# Altium PCB Minion_Rev2.PcbDoc (part 2 of 11) (continued)
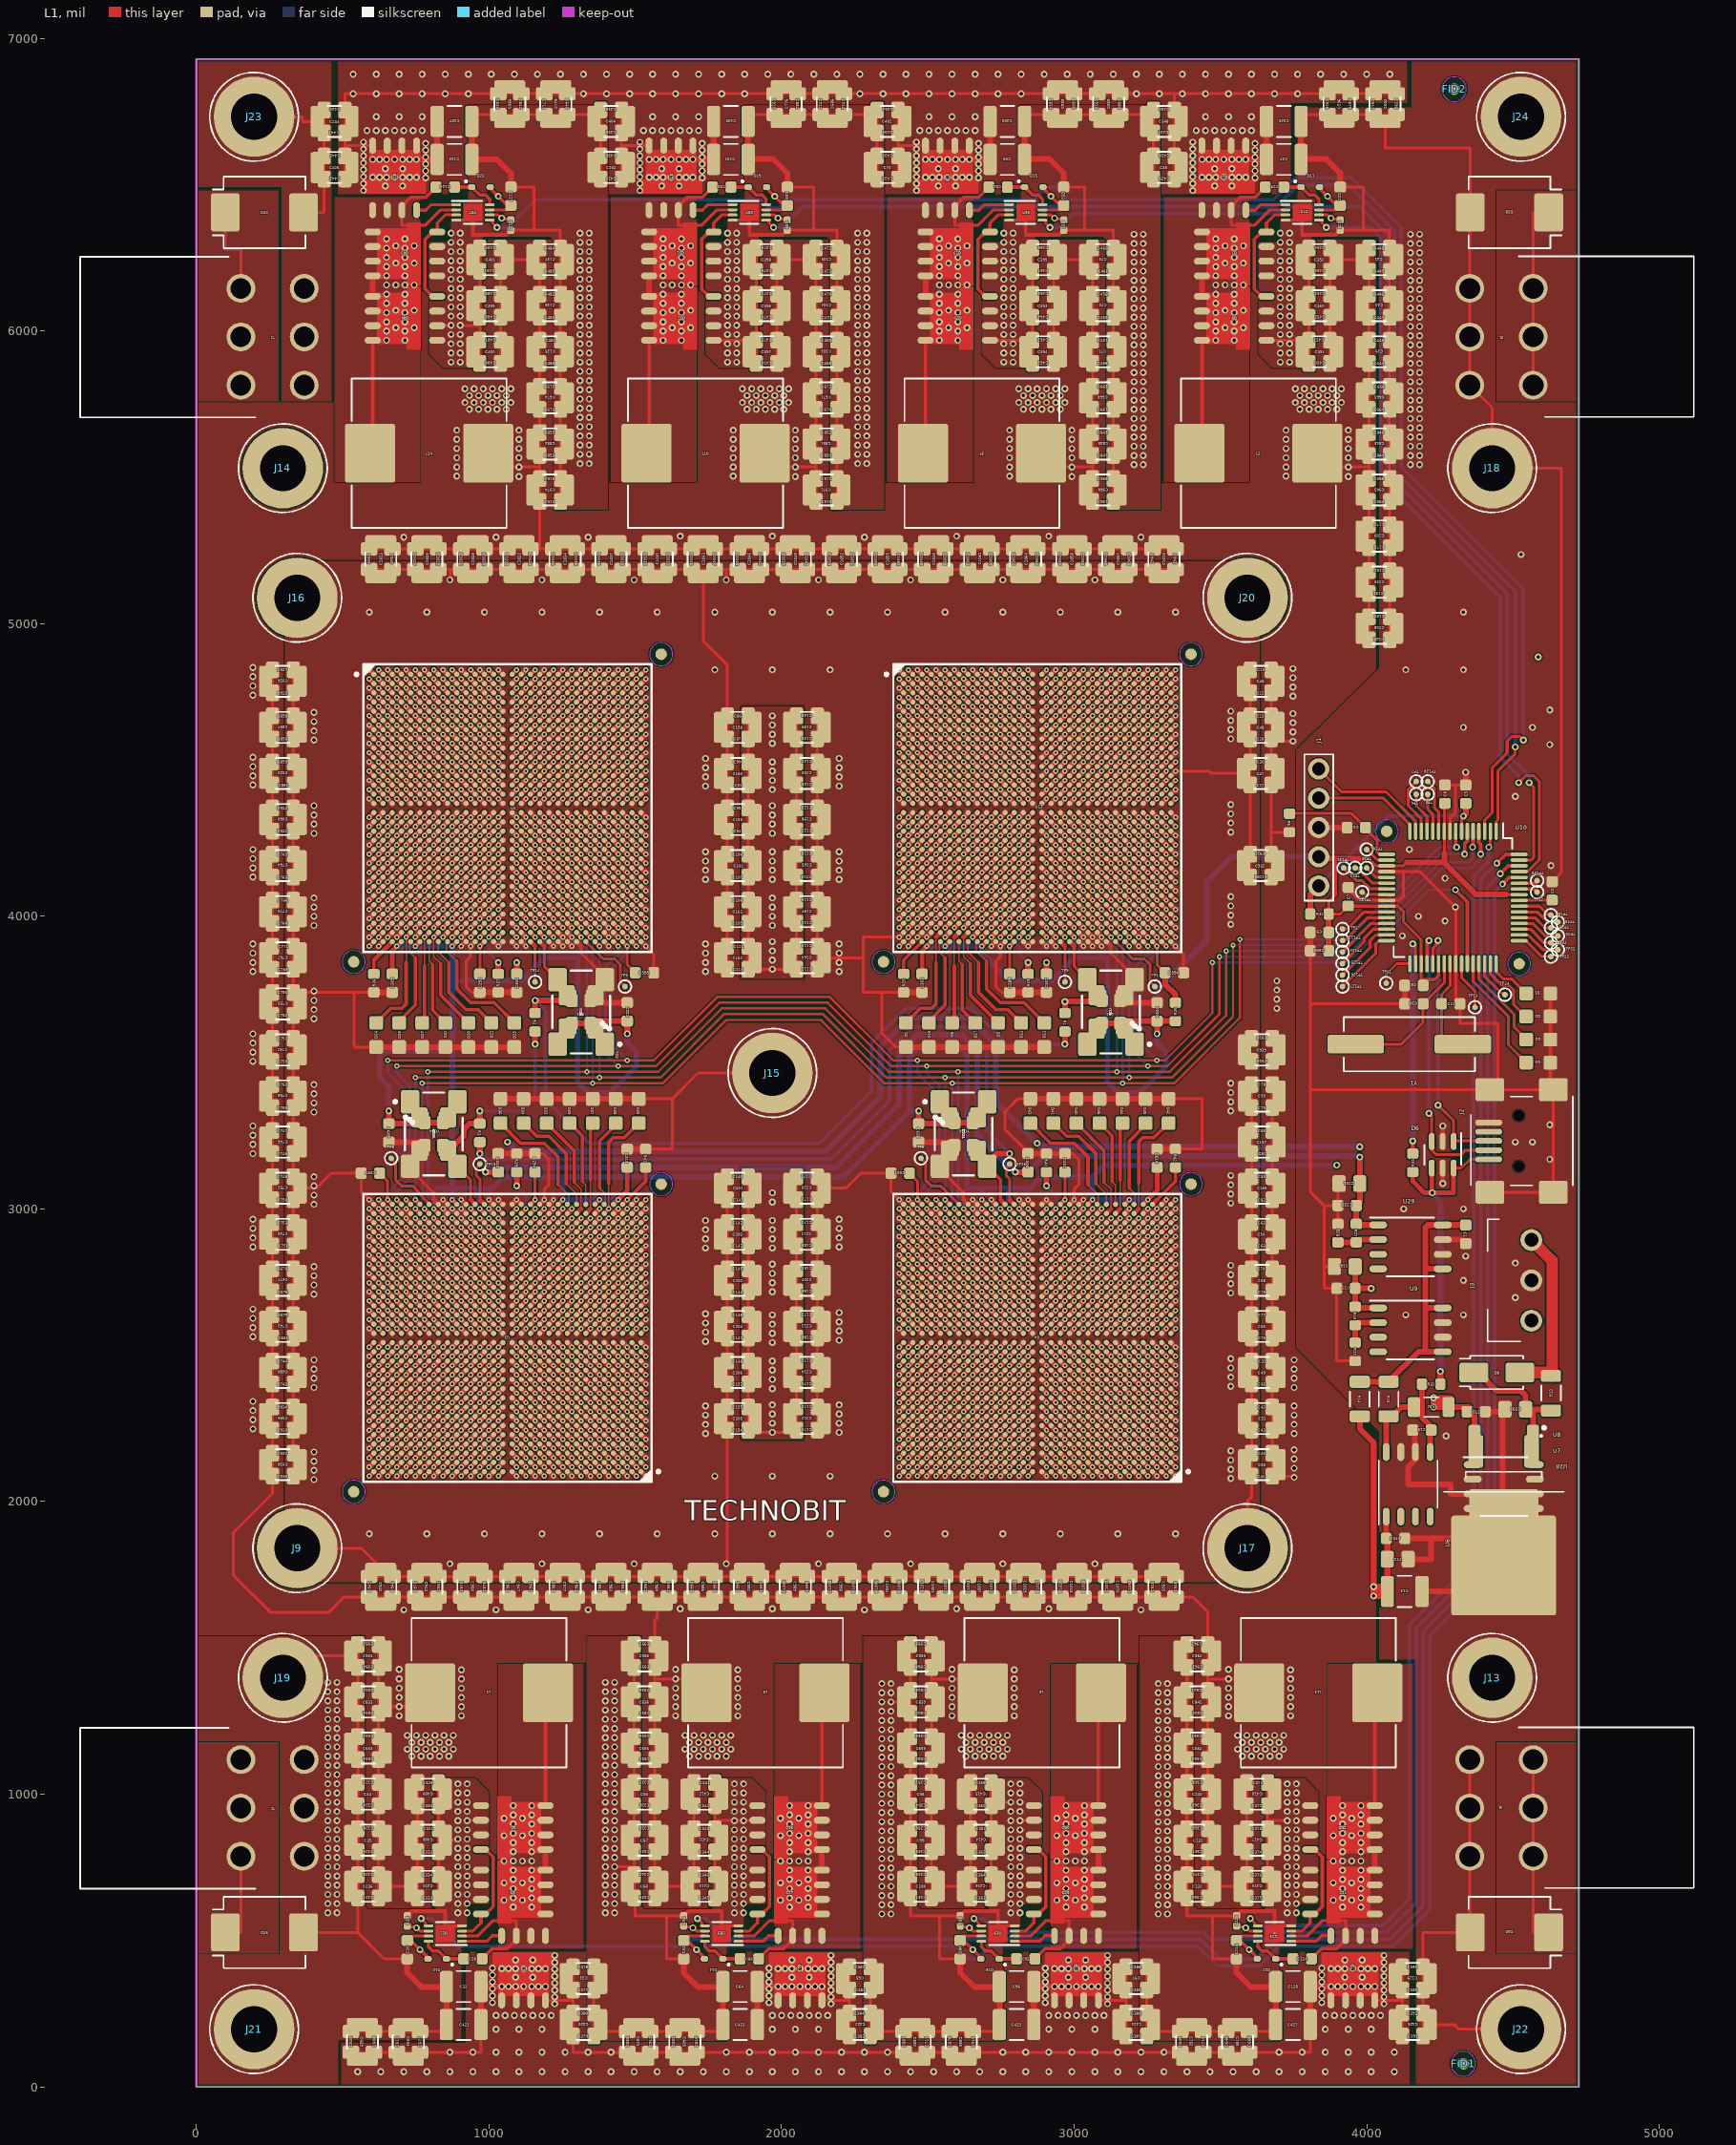
[diagram p0: L1 view]
## Components (designator, comment, footprint, x,y, rotation, side; value= is the part's Value field where it differs from the comment) (continued)
C856 "C" SMD_0805_CAPC2012X145N 295.28,4606.3 r0 top
C857 "C" SMD_1210_CAPC3225X279N 295.28,4645.67 r180 top
C858 "C" SMD_0805_CAPC2012X145N 295.28,4685.04 r0 top
C859 "C" SMD_0805_CAPC2012X145N 295.28,4527.56 r0 top
C860 "C" SMD_1210_CAPC3225X279N 295.28,4330.71 r180 top
C861 "C" SMD_0805_CAPC2012X145N 295.28,4448.82 r0 top
C866 "C" SMD_1210_CAPC3225X270N 1070.87,6775.59 r90 top
C868 "C" SMD_0805_CAPC2012X145N 1472.44,153.54 r90 top
C869 "C" SMD_1210_CAPC3225X270N 3118.11,6775.59 r90 top
C872 "C" SMD_1210_CAPC3225X270N 1511.81,153.54 r270 top
C876 "C" SMD_0805_CAPC2012X145N 2574.8,153.54 r90 top
C877 "C" SMD_0805_CAPC2012X145N 763.78,153.54 r90 top
C879 "C" SMD_0805_CAPC2012X145N 3944.88,6775.59 r270 top
C880 "C" SMD_0805_CAPC2012X145N 3157.48,6775.59 r270 top
C882 "C" SMD_0805_CAPC2012X145N 2055.12,6775.59 r270 top
C913 "C" SMD_0805_CAPC2012X145N 1551.18,153.54 r90 top
C915 "C" SMD_0805_CAPC2012X145N 2653.54,153.54 r90 top
C916 "C" SMD_0805_CAPC2012X145N 3866.14,6775.59 r270 top
C918 "C" SMD_0805_CAPC2012X145N 3078.74,6775.59 r270 top
C919 "C" SMD_0805_CAPC2012X145N 1976.38,6775.59 r270 top
C922 "C" SMD_0805_CAPC2012X145N 295.28,4291.34 r0 top
C923 "C" SMD_1210_CAPC3225X279N 295.28,4488.19 r180 top
C924 "C" SMD_0805_CAPC2012X145N 295.28,4370.08 r0 top
C925 "C" SMD_0805_CAPC2012X145N 295.28,4763.78 r0 top
C926 "C" SMD_1210_CAPC3225X279N 295.28,4803.15 r180 top
C927 "C" SMD_0805_CAPC2012X145N 295.28,4842.52 r0 top
C928 "C" SMD_0805_CAPC2012X145N 3641.73,3503.94 r180 top
C929 "C" SMD_1210_CAPC3225X279N 3641.73,3543.31 r0 top
C930 "C" SMD_0805_CAPC2012X145N 3641.73,3582.68 r180 top
C931 "C" SMD_0805_CAPC2012X145N 3637.8,4212.6 r180 top
C932 "C" SMD_1210_CAPC3225X279N 3637.8,4173.23 r0 top
C933 "C" SMD_0805_CAPC2012X145N 295.28,2244.09 r0 top
C934 "C" SMD_0805_CAPC2012X145N 295.28,2322.83 r0 top
C935 "C" SMD_1210_CAPC3225X279N 3307.09,1708.66 r270 top
C936 "C" SMD_0805_CAPC2012X145N 295.28,2086.61 r0 top
C937 "C" SMD_0805_CAPC2012X145N 295.28,2165.35 r0 top
C938 "C" SMD_1210_CAPC3225X279N 295.28,2125.98 r180 top
C939 "C" SMD_0805_CAPC2012X145N 590.55,5220.47 r270 top
C940 "C" SMD_0805_CAPC2012X145N 669.29,5220.47 r270 top
C941 "C" SMD_1210_CAPC3225X279N 629.92,1708.66 r270 top
C942 "C" SMD_0805_CAPC2012X145N 3267.72,5220.47 r270 top
C943 "C" SMD_0805_CAPC2012X145N 3346.46,5220.47 r270 top
C944 "C" SMD_1210_CAPC3225X279N 787.4,1708.66 r270 top
C945 "C" SMD_0805_CAPC2012X145N 590.55,1708.66 r90 top
C946 "C" SMD_0805_CAPC2012X145N 669.29,1708.66 r90 top
C947 "C" SMD_1210_CAPC3225X279N 1102.36,1708.66 r270 top
C948 "C" SMD_0805_CAPC2012X145N 3267.72,1708.66 r90 top
C949 "C" SMD_0805_CAPC2012X145N 3346.46,1708.66 r90 top
C950 "C" SMD_1210_CAPC3225X279N 944.88,1708.66 r270 top
C951 "C" SMD_0805_CAPC2012X145N 826.77,1708.66 r90 top
C952 "C" SMD_0805_CAPC2012X145N 586.61,1511.81 r180 top
C953 "C" SMD_1210_CAPC3225X279N 586.61,1472.44 r0 top
C954 "C" SMD_0805_CAPC2012X145N 586.61,1433.07 r180 top
C955 "C" SMD_0805_CAPC2012X145N 1531.5,1511.81 r180 top
C956 "C" SMD_1210_CAPC3225X279N 1531.5,1472.44 r0 top
C957 "C" SMD_0805_CAPC2012X145N 1531.5,1433.07 r180 top
C958 "C" SMD_0805_CAPC2012X145N 2476.38,1511.81 r180 top
C959 "C" SMD_1210_CAPC3225X279N 2476.38,1472.44 r0 top
C960 "C" SMD_0805_CAPC2012X145N 2476.38,1433.07 r180 top
C961 "C" SMD_0805_CAPC2012X145N 3421.26,1511.81 r180 top
C962 "C" SMD_1210_CAPC3225X279N 3421.26,1472.44 r0 top
C963 "C" SMD_0805_CAPC2012X145N 3421.26,1433.07 r180 top
C964 "C" SMD_0805_CAPC2012X145N 4043.31,5417.32 r0 top
C965 "C" SMD_1210_CAPC3225X279N 4043.31,5456.69 r180 top
C966 "C" SMD_0805_CAPC2012X145N 4043.31,5496.06 r0 top
C967 "C" SMD_0805_CAPC2012X145N 3098.43,5417.32 r0 top
C968 "C" SMD_1210_CAPC3225X279N 3098.43,5456.69 r180 top
C969 "C" SMD_0805_CAPC2012X145N 3098.43,5496.06 r0 top
C970 "C" SMD_0805_CAPC2012X145N 2153.54,5417.32 r0 top
C971 "C" SMD_1210_CAPC3225X279N 2153.54,5456.69 r180 top
C972 "C" SMD_0805_CAPC2012X145N 2153.54,5496.06 r0 top
C973 "C" SMD_0805_CAPC2012X145N 1208.66,5417.32 r0 top
C974 "C" SMD_1210_CAPC3225X279N 1208.66,5456.69 r180 top
C975 "C" SMD_0805_CAPC2012X145N 1208.66,5496.06 r0 top
C976 "C" SMD_0805_CAPC2012X145N 748.03,1708.66 r90 top
C977 "C" SMD_1210_CAPC3225X279N 1259.84,1708.66 r270 top
C978 "C" SMD_0805_CAPC2012X145N 905.51,1708.66 r90 top
C979 "C" SMD_0805_CAPC2012X145N 984.25,1708.66 r90 top
C980 "C" SMD_1210_CAPC3225X279N 1574.8,1708.66 r270 top
C981 "C" SMD_0805_CAPC2012X145N 1141.73,1708.66 r90 top
C982 "C" SMD_0805_CAPC2012X145N 1062.99,1708.66 r90 top
C983 "C" SMD_1210_CAPC3225X279N 1417.32,1708.66 r270 top
C984 "C" SMD_0805_CAPC2012X145N 1299.21,1708.66 r90 top
C985 "C" SMD_0805_CAPC2012X145N 1220.47,1708.66 r90 top
C986 "C" SMD_1210_CAPC3225X279N 1732.28,1708.66 r270 top
C987 "C" SMD_0805_CAPC2012X145N 1377.95,1708.66 r90 top
C988 "C" SMD_0805_CAPC2012X145N 1456.69,1708.66 r90 top
C989 "C" SMD_1210_CAPC3225X279N 2047.24,1708.66 r270 top
C990 "C" SMD_0805_CAPC2012X145N 1614.17,1708.66 r90 top
C991 "C" SMD_0805_CAPC2012X145N 1535.43,1708.66 r90 top
C992 "C" SMD_1210_CAPC3225X279N 1889.76,1708.66 r270 top
C993 "C" SMD_0805_CAPC2012X145N 1771.65,1708.66 r90 top
C994 "C" SMD_0805_CAPC2012X145N 1692.91,1708.66 r90 top
C995 "C" SMD_1210_CAPC3225X279N 295.28,2283.46 r180 top
C996 "C" SMD_0805_CAPC2012X145N 1850.39,1708.66 r90 top
C997 "C" SMD_0805_CAPC2012X145N 1929.13,1708.66 r90 top
C998 "C" SMD_1210_CAPC3225X279N 2204.72,1708.66 r270 top
C999 "C" SMD_0805_CAPC2012X145N 2086.61,1708.66 r90 top
C1000 "C" SMD_0805_CAPC2012X145N 2007.87,1708.66 r90 top
C1001 "C" SMD_1210_CAPC3225X279N 2519.68,1708.66 r270 top
C1002 "C" SMD_0805_CAPC2012X145N 2244.09,1708.66 r90 top
C1003 "C" SMD_0805_CAPC2012X145N 2165.35,1708.66 r90 top
C1004 "C" SMD_1210_CAPC3225X279N 2362.2,1708.66 r270 top
C1005 "C" SMD_0805_CAPC2012X145N 3637.8,4133.86 r180 top
C1006 "C" SMD_0805_CAPC2012X145N 2322.83,1708.66 r90 top
C1007 "C" SMD_1210_CAPC3225X279N 2677.17,1708.66 r270 top
C1008 "C" SMD_0805_CAPC2012X145N 2401.57,1708.66 r90 top
C1009 "C" SMD_0805_CAPC2012X145N 2559.06,1708.66 r90 top
C1010 "C" SMD_1210_CAPC3225X279N 3307.09,5220.47 r90 top
C1011 "C" SMD_0805_CAPC2012X145N 2480.31,1708.66 r90 top
C1012 "C" SMD_0805_CAPC2012X145N 2716.54,1708.66 r90 top
C1013 "C" SMD_1210_CAPC3225X279N 629.92,5220.47 r90 top
C1014 "C" SMD_0805_CAPC2012X145N 2637.8,1708.66 r90 top
C1015 "C" SMD_0805_CAPC2012X145N 2795.28,1708.66 r90 top
C1016 "C" SMD_1210_CAPC3225X279N 2992.13,1708.66 r270 top
C1017 "C" SMD_0805_CAPC2012X145N 2874.02,1708.66 r90 top
C1018 "C" SMD_0805_CAPC2012X145N 3031.5,1708.66 r90 top
C1019 "C" SMD_1210_CAPC3225X279N 2834.65,1708.66 r270 top
C1020 "C" SMD_0805_CAPC2012X145N 2952.76,1708.66 r90 top
C1021 "C" SMD_0805_CAPC2012X145N 1062.99,5220.47 r270 top
C1022 "C" SMD_1210_CAPC3225X279N 1102.36,5220.47 r90 top
C1023 "C" SMD_0805_CAPC2012X145N 1141.73,5220.47 r270 top
C1024 "C" SMD_0805_CAPC2012X145N 984.25,5220.47 r270 top
C1025 "C" SMD_1210_CAPC3225X279N 787.4,5220.47 r90 top
C1026 "C" SMD_0805_CAPC2012X145N 905.51,5220.47 r270 top
C1027 "C" SMD_0805_CAPC2012X145N 748.03,5220.47 r270 top
C1028 "C" SMD_1210_CAPC3225X279N 944.88,5220.47 r90 top
C1029 "C" SMD_0805_CAPC2012X145N 826.77,5220.47 r270 top
C1030 "C" SMD_0805_CAPC2012X145N 1535.43,5220.47 r270 top
C1031 "C" SMD_1210_CAPC3225X279N 1574.8,5220.47 r90 top
C1032 "C" SMD_0805_CAPC2012X145N 1614.17,5220.47 r270 top
C1033 "C" SMD_0805_CAPC2012X145N 1456.69,5220.47 r270 top
C1034 "C" SMD_1210_CAPC3225X279N 1259.84,5220.47 r90 top
C1035 "C" SMD_0805_CAPC2012X145N 1377.95,5220.47 r270 top
C1036 "C" SMD_0805_CAPC2012X145N 1220.47,5220.47 r270 top
C1037 "C" SMD_1210_CAPC3225X279N 1417.32,5220.47 r90 top
C1038 "C" SMD_0805_CAPC2012X145N 1299.21,5220.47 r270 top
C1039 "C" SMD_0805_CAPC2012X145N 2007.87,5220.47 r270 top
C1040 "C" SMD_1210_CAPC3225X279N 2047.24,5220.47 r90 top
C1041 "C" SMD_0805_CAPC2012X145N 2086.61,5220.47 r270 top
C1042 "C" SMD_0805_CAPC2012X145N 1929.13,5220.47 r270 top
C1043 "C" SMD_1210_CAPC3225X279N 1732.28,5220.47 r90 top
C1044 "C" SMD_0805_CAPC2012X145N 1850.39,5220.47 r270 top
C1045 "C" SMD_0805_CAPC2012X145N 1692.91,5220.47 r270 top
C1046 "C" SMD_1210_CAPC3225X279N 1889.76,5220.47 r90 top
C1047 "C" SMD_0805_CAPC2012X145N 1771.65,5220.47 r270 top
C1048 "C" SMD_0805_CAPC2012X145N 2480.31,5220.47 r270 top
C1049 "C" SMD_1210_CAPC3225X279N 2519.68,5220.47 r90 top
C1050 "C" SMD_0805_CAPC2012X145N 2559.06,5220.47 r270 top
C1051 "C" SMD_0805_CAPC2012X145N 2401.57,5220.47 r270 top
C1052 "C" SMD_1210_CAPC3225X279N 2204.72,5220.47 r90 top
C1053 "C" SMD_0805_CAPC2012X145N 2322.83,5220.47 r270 top
C1054 "C" SMD_0805_CAPC2012X145N 2165.35,5220.47 r270 top
C1055 "C" SMD_1210_CAPC3225X279N 2362.2,5220.47 r90 top
C1056 "C" SMD_0805_CAPC2012X145N 2244.09,5220.47 r270 top
C1057 "C" SMD_0805_CAPC2012X145N 2952.76,5220.47 r270 top
C1058 "C" SMD_1210_CAPC3225X279N 2992.13,5220.47 r90 top
C1059 "C" SMD_0805_CAPC2012X145N 3031.5,5220.47 r270 top
C1060 "C" SMD_0805_CAPC2012X145N 2874.02,5220.47 r270 top
C1061 "C" SMD_1210_CAPC3225X279N 2677.17,5220.47 r90 top
C1062 "C" SMD_0805_CAPC2012X145N 2795.28,5220.47 r270 top
C1063 "C" SMD_0805_CAPC2012X145N 2637.8,5220.47 r270 top
C1064 "C" SMD_1210_CAPC3225X279N 2834.65,5220.47 r90 top
C1065 "C" SMD_0805_CAPC2012X145N 2716.54,5220.47 r270 top
C1066 "C" SMD_0805_CAPC2012X145N 3110.24,5220.47 r270 top
C1067 "C" SMD_1210_CAPC3225X279N 3149.61,5220.47 r90 top
C1068 "C" SMD_0805_CAPC2012X145N 3188.98,5220.47 r270 top
C1069 "C" SMD_0805_CAPC2012X145N 3188.98,1708.66 r90 top
C1070 "C" SMD_1210_CAPC3225X279N 3149.61,1708.66 r270 top
C1071 "C" SMD_0805_CAPC2012X145N 3110.24,1708.66 r90 top
D1 "Red SML210VT ROHM" SMD_0805_LED2012X100N 4586.61,3736.22 r180 top
D2 "Green  SML210MT ROHM" SMD_0805_LED2012X100N 4586.61,3657.48 r180 top
D3 "Yellow SML210YT ROHM" SMD_0805_LED2012X100N 4586.61,3500 r180 top
D4 "Orange  SML210DT ROHM" SMD_0805_LED2012X100N 4586.61,3578.74 r180 top
D5 "Red SML210VT ROHM" SMD_0805_LED2012X100N 2740.16,3594.49 r90 top
D6 "D_TVS_QUAD_C1A2C3C4A5C6" SMD_SOT457_SOT95P275X110-6N 4259.84,3185.04 r270 top
D7 "Green  SML210MT ROHM" SMD_0805_LED2012X100N 2425.2,3594.49 r90 top
D8 "D_STKY" SMD_DO214AC_SMA 4444.88,2440.94 r0 top
D9 "Yellow SML210YT ROHM" SMD_0805_LED2012X100N 2582.68,3594.49 r90 top
D10 "D" SMD_SOD523_SOD1608X65N 822.83,437.01 r180 top
D11 "D" SMD_SOD523_SOD1608X65N 3807.09,6492.13 r0 top
D12 "Red SML210VT ROHM" SMD_0805_LED2012X100N 2818.9,3594.49 r90 top
D13 "Green  SML210MT ROHM" SMD_0805_LED2012X100N 2897.64,3594.49 r90 top
D14 "D" SMD_SOD523_SOD1608X65N 1767.72,437.01 r180 top
D15 "D" SMD_SOD523_SOD1608X65N 2862.2,6492.13 r0 top
D16 "Yellow SML210YT ROHM" SMD_0805_LED2012X100N 2503.94,3594.49 r90 top
D17 "Orange  SML210DT ROHM" SMD_0805_LED2012X100N 2661.42,3594.49 r90 top
D18 "D" SMD_SOD523_SOD1608X65N 2712.6,437.01 r180 top
D19 "D" SMD_SOD523_SOD1608X65N 1917.32,6492.13 r0 top
D20 "Red SML210VT ROHM" SMD_0805_LED2012X100N 929.13,3594.49 r90 top
D21 "Red SML210VT ROHM" SMD_0805_LED2012X100N 1007.87,3594.49 r90 top
D22 "D" SMD_SOD523_SOD1608X65N 3657.48,437.01 r180 top
D23 "D" SMD_SOD523_SOD1608X65N 972.44,6492.13 r0 top
D24 "Green  SML210MT ROHM" SMD_0805_LED2012X100N 614.17,3594.49 r90 top
D25 "Green  SML210MT ROHM" SMD_0805_LED2012X100N 1086.61,3594.49 r90 top
D26 "D_TVS_UNI" SMD_DO214AC_SMC 232.28,527.56 r0 top
D27 "Yellow SML210YT ROHM" SMD_0805_LED2012X100N 771.65,3594.49 r90 top
D28 "D_TVS_UNI" SMD_DO214AC_SMC 4488.19,6405.51 r180 top
D29 "Yellow SML210YT ROHM" SMD_0805_LED2012X100N 692.91,3594.49 r90 top
D30 "D_TVS_UNI" SMD_DO214AC_SMC 4488.19,527.56 r180 top
D31 "Orange  SML210DT ROHM" SMD_0805_LED2012X100N 850.39,3594.49 r90 top
D32 "D_TVS_UNI" SMD_DO214AC_SMC 232.28,6405.51 r0 top
D33 "Red SML210VT ROHM" SMD_0805_LED2012X100N 1196.85,3334.65 r270 top
D34 "Red SML210VT ROHM" SMD_0805_LED2012X100N 1118.11,3334.65 r270 top
D35 "Green  SML210MT ROHM" SMD_0805_LED2012X100N 1511.81,3334.65 r270 top
D36 "Green  SML210MT ROHM" SMD_0805_LED2012X100N 1039.37,3334.65 r270 top
D37 "Yellow SML210YT ROHM" SMD_0805_LED2012X100N 1354.33,3334.65 r270 top
D38 "Yellow SML210YT ROHM" SMD_0805_LED2012X100N 1433.07,3334.65 r270 top
D39 "Orange  SML210DT ROHM" SMD_0805_LED2012X100N 1275.59,3334.65 r270 top
D40 "Red SML210VT ROHM" SMD_0805_LED2012X100N 3007.87,3334.65 r270 top
D41 "Red SML210VT ROHM" SMD_0805_LED2012X100N 2929.13,3334.65 r270 top
D42 "Green  SML210MT ROHM" SMD_0805_LED2012X100N 3322.83,3334.65 r270 top
D43 "Green  SML210MT ROHM" SMD_0805_LED2012X100N 2850.39,3334.65 r270 top
D44 "Yellow SML210YT ROHM" SMD_0805_LED2012X100N 3165.35,3334.65 r270 top
D45 "Yellow SML210YT ROHM" SMD_0805_LED2012X100N 3244.09,3334.65 r270 top
D46 "Orange  SML210DT ROHM" SMD_0805_LED2012X100N 3086.61,3334.65 r270 top
FID1 "FIDUCIAL" FID100X200 4330.71,78.74 r0 top
FID2 "FIDUCIAL" FID100X200 4299.21,6826.77 r0 top
J1 "CON_5PINS" PTH_HDRV05W64P254_1X05 3836.07,4303.53 r90 top
J2 "CON_USB_MINI_1" SMD_CON-CVILUX-CU04-SCM15B0 4519.68,3232.28 r90 top
J3 "CON_3PINS" PTH_CON_HD-351-3P 4562.99,2755.91 r90 top
J4 "CON_2ROWS_6PINS_1" PTH_CON_WR-MRC4-6P 259.84,952.76 r90 top
J5 "CON_2ROWS_6PINS_1" PTH_CON_WR-MRC4-6P 4460.63,5980.32 r270 top
J6 "CON_2ROWS_6PINS_1" PTH_CON_WR-MRC4-6P 4460.63,952.76 r270 top
J7 "CON_2ROWS_6PINS_1" PTH_CON_WR-MRC4-6P 259.84,5980.32 r90 top
J9 "CON_1PIN" PTH_MTG400_700 344.49,1840.55 r0 top
J13 "CON_1PIN" PTH_MTG400_700 4429.13,1397.64 r0 top
J14 "CON_1PIN" PTH_MTG400_700 295.28,5531.5 r0 top
J15 "CON_1PIN" PTH_MTG400_700 1968.5,3464.57 r90 top
J16 "CON_1PIN" PTH_MTG400_700 344.49,5088.58 r0 top
J17 "CON_1PIN" PTH_MTG400_700 3592.52,1840.55 r0 top
J18 "CON_1PIN" PTH_MTG400_700 4429.13,5531.5 r0 top
J19 "CON_1PIN" PTH_MTG400_700 295.28,1397.64 r0 top
J20 "CON_1PIN" PTH_MTG400_700 3592.52,5088.58 r0 top
J21 "CON_1PIN" PTH_MTG400_700 196.85,196.85 r0 top
J22 "CON_1PIN" PTH_MTG400_700 4527.56,196.85 r0 top
J23 "CON_1PIN" PTH_MTG400_700 196.85,6732.28 r0 top
J24 "CON_1PIN" PTH_MTG400_700 4527.56,6732.28 r0 top
L1 "L" SMT_INDM135130X800N 1000,1346.46 r180 top
L2 "L" SMT_INDM135130X800N 3629.92,5582.68 r0 top
L5 "L" SMT_INDM135130X800N 1944.88,1346.46 r180 top
L6 "L" SMT_INDM135130X800N 2685.04,5582.68 r0 top
L9 "L" SMT_INDM135130X800N 2889.76,1346.46 r180 top
L10 "L" SMT_INDM135130X800N 1740.16,5582.68 r0 top
L13 "L" SMT_INDM135130X800N 3834.65,1346.46 r180 top
L14 "L" SMT_INDM135130X800N 795.28,5582.68 r0 top
Q1 "MOS_N_D1_S1S2S3G4D5D6D7D8" SMD_SOIC127P600X110-9AN 1118.11,405.51 r270 top
Q2 "MOS_N_D1_S1S2S3G4D5D6D7D8" SMD_SOIC127P600X110-9AN 3511.81,6523.62 r90 top
Q5 "MOS_N_D1_S1S2S3G4D5D6D7D8" SMD_SOIC127P600X110-9AN 1082.68,665.35 r0 top
Q6 "MOS_N_D1_S1S2S3G4D5D6D7D8" SMD_SOIC127P600X110-9AN 1082.68,885.83 r0 top
Q7 "MOS_N_D1_S1S2S3G4D5D6D7D8" SMD_SOIC127P600X110-9AN 3547.24,6263.78 r180 top
Q8 "MOS_N_D1_S1S2S3G4D5D6D7D8" SMD_SOIC127P600X110-9AN 3547.24,6043.31 r180 top
Q13 "MOS_N_D1_S1S2S3G4D5D6D7D8" SMD_SOIC127P600X110-9AN 2062.99,405.51 r270 top
Q14 "MOS_N_D1_S1S2S3G4D5D6D7D8" SMD_SOIC127P600X110-9AN 2566.93,6523.62 r90 top
Q17 "MOS_N_D1_S1S2S3G4D5D6D7D8" SMD_SOIC127P600X110-9AN 2027.56,665.35 r0 top
Q18 "MOS_N_D1_S1S2S3G4D5D6D7D8" SMD_SOIC127P600X110-9AN 2027.56,885.83 r0 top
Q19 "MOS_N_D1_S1S2S3G4D5D6D7D8" SMD_SOIC127P600X110-9AN 2602.36,6263.78 r180 top
Q20 "MOS_N_D1_S1S2S3G4D5D6D7D8" SMD_SOIC127P600X110-9AN 2602.36,6043.31 r180 top
Q25 "MOS_N_D1_S1S2S3G4D5D6D7D8" SMD_SOIC127P600X110-9AN 3007.87,405.51 r270 top
Q26 "MOS_N_D1_S1S2S3G4D5D6D7D8" SMD_SOIC127P600X110-9AN 1622.05,6523.62 r90 top
Q29 "MOS_N_D1_S1S2S3G4D5D6D7D8" SMD_SOIC127P600X110-9AN 2972.44,665.35 r0 top
Q30 "MOS_N_D1_S1S2S3G4D5D6D7D8" SMD_SOIC127P600X110-9AN 2972.44,885.83 r0 top
Q31 "MOS_N_D1_S1S2S3G4D5D6D7D8" SMD_SOIC127P600X110-9AN 1657.48,6263.78 r180 top
Q32 "MOS_N_D1_S1S2S3G4D5D6D7D8" SMD_SOIC127P600X110-9AN 1657.48,6043.31 r180 top
Q37 "MOS_N_D1_S1S2S3G4D5D6D7D8" SMD_SOIC127P600X110-9AN 3952.76,405.51 r270 top
Q38 "MOS_N_D1_S1S2S3G4D5D6D7D8" SMD_SOIC127P600X110-9AN 677.17,6523.62 r90 top
Q41 "MOS_N_D1_S1S2S3G4D5D6D7D8" SMD_SOIC127P600X110-9AN 3917.32,665.35 r0 top
Q42 "MOS_N_D1_S1S2S3G4D5D6D7D8" SMD_SOIC127P600X110-9AN 3917.32,885.83 r0 top
Q43 "MOS_N_D1_S1S2S3G4D5D6D7D8" SMD_SOIC127P600X110-9AN 712.6,6263.78 r180 top
Q44 "MOS_N_D1_S1S2S3G4D5D6D7D8" SMD_SOIC127P600X110-9AN 712.6,6043.31 r180 top
R1 "R" SMD_0603_RESC1608X55N 2968.5,3637.8 r270 top
R2 "R" SMD_0603_RESC1608X55N 1157.48,3637.8 r270 top
R3 "R" SMD_0603_RESC1608X55N 968.5,3259.84 r270 top
R6 "R" SMD_0603_RESC1608X55N 3736.22,4318.9 r270 top
R13 "R" SMD_1206_RESC3216X65N 4629.92,2370.08 r90 top
R14 "R" SMD_1206_RESC3216X65N 3976.38,2350.39 r270 top
R15 "R" SMD_1206_RESC3216X65N 4074.8,2350.39 r270 top
R16 "R_42k" SMD_0603_RESC1608X55N 3960.63,2633.86 r270 top
R17 "R" SMD_0603_RESC1608X55N 3960.63,2511.81 r270 top
R19 "R" SMD_0603_RESC1608X55N 2842.52,3771.65 r90 top
R25 "R" SMD_0603_RESC1608X55N 2417.32,3771.65 r90 top
R26 "R" SMD_0603_RESC1608X55N 3346.46,3673.23 r90 top
R27 "R" SMD_0603_RESC1608X55N 3964.57,2917.32 r270 top
R28 "R" SMD_0603_RESC1608X55N 3901.57,2917.32 r90 top
R31 "R" SMD_0603_RESC1608X55N 3838.58,4007.87 r0 top
R32 "R" SMD_0603_RESC1608X55N 4157.48,3157.48 r90 top
R33 "R" SMD_0603_RESC1608X55N 4220.47,2401.57 r0 top
R34 "R" SMD_1206_RESC3216X65N 4220.47,2322.83 r180 top
R37 "R" SMD_0603_RESC1608X55N 1031.5,3771.65 r90 top
R38 "R" SMD_0603_RESC1608X55N 606.3,3771.65 r90 top
R39 "R" SMD_0603_RESC1608X55N 1094.49,3157.48 r270 top
R40 "R" SMD_0603_RESC1608X55N 2905.51,3157.48 r270 top
R41 "R" SMD_0603_RESC1608X55N 1535.43,3173.23 r270 top
R42 "R" SMD_0603_RESC1608X55N 3346.46,3173.23 r270 top
TP1 "TEST_POINT_1" SMD_TP_100-254 3275.59,3759.84 r0 top
TP2 "TEST_POINT_1" SMD_TP_100-254 3917.32,3956.69 r0 top
TP3 "TEST_POINT_1" SMD_TP_100-254 1464.57,3759.84 r0 top
TP4 "TEST_POINT_1" SMD_TP_100-254 665.35,3173.23 r0 top
TP5 "TEST_POINT_1" SMD_TP_100-254 4208.66,4417.32 r180 top
TP6 "TEST_POINT_1" SMD_TP_100-254 4169.29,4417.32 r180 top
TP7 "TEST_POINT_1" SMD_TP_100-254 4169.29,4460.63 r180 top
TP8 "TEST_POINT_1" SMD_TP_100-254 2476.38,3173.23 r0 top
TP9 "TEST_POINT_1" SMD_TP_100-254 2968.5,3775.59 r0 top
TP10 "TEST_POINT_1" SMD_TP_100-254 4000,4165.35 r180 top
TP11 "TEST_POINT_1" SMD_TP_100-254 3960.63,4165.35 r180 top
TP12 "TEST_POINT_1" SMD_TP_100-254 4582.68,4082.68 r0 top
TP13 "TEST_POINT_1" SMD_TP_100-254 4370.08,3688.98 r0 top
TP14 "TEST_POINT_1" SMD_TP_100-254 1157.48,3775.59 r0 top
TP15 "TEST_POINT_1" SMD_TP_100-254 968.5,3153.54 r270 top
TP16 "TEST_POINT_1" SMD_TP_100-254 2779.53,3153.54 r270 top
TP17 "TEST_POINT_1" SMD_TP_100-254 4629.92,3909.45 r90 top
TP18 "TEST_POINT_1" SMD_TP_100-254 4629.92,4003.94 r180 top
TP19 "TEST_POINT_1" SMD_TP_100-254 4653.54,3980.32 r180 top
TP20 "TEST_POINT_1" SMD_TP_100-254 4653.54,3933.07 r180 top
TP21 "TEST_POINT_1" SMD_TP_100-254 4066.93,3771.65 r0 top
TP22 "TEST_POINT_1" SMD_TP_100-254 4653.54,3885.83 r0 top
TP23 "TEST_POINT_1" SMD_TP_100-254 4629.92,3862.2 r0 top
TP24 "TEST_POINT_1" SMD_TP_100-254 4472.44,3732.28 r0 top
TP25 "TEST_POINT_1" SMD_TP_100-254 4629.92,3960.63 r180 top
TP26 "TEST_POINT_1" SMD_TP_100-254 4000,4228.35 r90 top
TP123 "TEST_POINT_1" SMD_TP_100-254 3917.32,3917.32 r180 top
TP124 "TEST_POINT_1" SMD_TP_100-254 3917.32,3877.95 r180 top
TP125 "TEST_POINT_1" SMD_TP_100-254 3917.32,3838.58 r180 top
TP126 "TEST_POINT_1" SMD_TP_100-254 3917.32,3799.21 r180 top
TP127 "TEST_POINT_1" SMD_TP_100-254 3917.32,3759.84 r180 top
TP128 "TEST_POINT_1" SMD_TP_100-254 4208.66,4460.63 r180 top
TP129 "TEST_POINT_1" SMD_TP_100-254 4582.68,4122.05 r180 top
TP131 "TEST_POINT_1" SMD_TP_100-254 3921.26,4165.35 r180 top
TP132 "TEST_POINT_1" SMD_TP_100-254 3984.25,4082.68 r180 top
U2 "Minion 99s256" SMD_BGA900C80P30X30 1062.99,4370.08 r0 top
U3 "Minion 99s256" SMD_BGA900C80P30X30 1062.99,2559.06 r180 top
U4 "Minion 99s256" SMD_BGA900C80P30X30 2874.02,2559.06 r180 top
U6 "IC_BDXXKA5WF" SMD_SOIC127P620X160-8N 4141.73,2059.06 r90 top
U7 "IC_IN1OUT3GND4" SMD_TO254P1542X460-3_4N 4468.5,1937.01 r270 top
U8 "IC_VIN1GND4VOUT3" SMD_TO229P991X239-4N_DPAK 4468.5,2007.87 r270 top
U9 "IC_BD00KA5WF" SMD_SOIC127P620X160-8N 4149.61,2586.61 r0 top
U10 "IC_DSPIC33EP256MU806-QFN64" SMD_QFP50P1200X1200X120-64N 4294.85,4064.17 r270 top
U11 "IC_LTC4449" SMD_SON45P300X200X80-9N 850.39,523.62 r180 top
U12 "IC_LTC4449" SMD_SON45P300X200X80-9N 3779.53,6405.51 r0 top
U13 "Minion 99s256" SMD_BGA900C80P30X30 2874.02,4370.08 r0 top
U15 "IC_LTC4449" SMD_SON45P300X200X80-9N 1795.28,523.62 r180 top
U16 "IC_LTC4449" SMD_SON45P300X200X80-9N 2834.65,6405.51 r0 top
U19 "IC_LTC4449" SMD_SON45P300X200X80-9N 2740.16,523.62 r180 top
U20 "IC_LTC4449" SMD_SON45P300X200X80-9N 1889.76,6405.51 r0 top
U23 "IC_LTC4449" SMD_SON45P300X200X80-9N 3685.04,523.62 r180 top
U24 "IC_LTC4449" SMD_SON45P300X200X80-9N 944.88,6405.51 r0 top
U28 "IC_LM2931AD-5.0R2G_SO-8" SMD_SOIC127P600X175-8N 4468.5,2051.18 r0 top
U29 "IC_BD00KA5WF" SMD_SOIC127P620X160-8N 4149.61,2870.08 r0 top
Y1 "XTAL" SMD_HC49_XTAL1140X480X420N 4145.67,3562.99 r0 top
YO1 "(OPT)XTAL_TXC 16 MHz_DFN_2X2.5MM" SMD_OSCCF200X250X90-4N 1314.96,3673.23 r180 top
YO2 "XTAL_TXC 16 MHz_DFN_2.5X3.2MM" SMD_OSCCF250X320X90-4N 1314.96,3673.23 r180 top
YO3 "(OPT)XTAL_TXC 16 MHz_DFN_3.2x5mm" SMD_OSCCF320X400X90-4N 1314.96,3673.23 r180 top
YO4 "(OPT)XTAL_TXC 16 MHz_DFN_2X2.5MM" SMD_OSCCF200X250X90-4N 3125.98,3673.23 r180 top
YO5 "XTAL_TXC 16 MHz_DFN_2.5X3.2MM" SMD_OSCCF250X320X90-4N 3125.98,3673.23 r180 top
YO6 "(OPT)XTAL_TXC 16 MHz_DFN_3.2x5mm" SMD_OSCCF320X400X90-4N 3125.98,3673.23 r180 top
YO7 "(OPT)XTAL_TXC 16 MHz_TA 7x5mm" SMD_OSCCC500X700X100-4N 3125.98,3673.23 r180 top
YO8 "(OPT)XTAL_TXC 16 MHz_TA 7x5mm" SMD_OSCCC500X700X100-4N 1314.96,3673.23 r180 top
YO9 "(OPT)XTAL_TXC 16 MHz_DFN_2X2.5MM" SMD_OSCCF200X250X90-4N 811.02,3255.91 r0 top
YO10 "XTAL_TXC 16 MHz_DFN_2.5X3.2MM" SMD_OSCCF250X320X90-4N 811.02,3255.91 r0 top
YO11 "(OPT)XTAL_TXC 16 MHz_DFN_2X2.5MM" SMD_OSCCF200X250X90-4N 2622.05,3255.91 r0 top
YO12 "XTAL_TXC 16 MHz_DFN_2.5X3.2MM" SMD_OSCCF250X320X90-4N 2622.05,3255.91 r0 top
YO13 "(OPT)XTAL_TXC 16 MHz_DFN_3.2x5mm" SMD_OSCCF320X400X90-4N 811.02,3255.91 r0 top
YO14 "(OPT)XTAL_TXC 16 MHz_TA 7x5mm" SMD_OSCCC500X700X100-4N 811.02,3255.91 r0 top
YO15 "(OPT)XTAL_TXC 16 MHz_DFN_3.2x5mm" SMD_OSCCF320X400X90-4N 2622.05,3255.91 r0 top
YO16 "(OPT)XTAL_TXC 16 MHz_TA 7x5mm" SMD_OSCCC500X700X100-4N 2622.05,3255.91 r0 top

## Footprints (in the part's own frame and the unit in brackets; to place one, negate y for a bottom-side part, rotate by r counter-clockwise, add the part's x,y. Pads: shape width x height; smd on the part's side, far side on the other; paste and mask are expansions set on the pad)
FID100X200 [mm]
  round 1 smd paste-0.5 mask+0.5: 1(0,0)
  L1 keep-out region: 1.05,0 0.969,0.406 0.74,0.749 0.396,0.979 -0.01,1.06 -0.01,1.06 -0.415,0.979 -0.759,0.749 -0.989,0.406 -1.069,0 -1.069,0 -0.989,-0.406 -0.759,-0.749 -0.415,-0.979 -0.01,-1.06 -0.01,-1.06 0.396,-0.979 0.74,-0.749 0.969,-0.406 1.05,0
PTH_CON_HD-351-3P [mm]
  round 1.9 hole 1.2 mask+0.075: 1(-3.5,0) 2(0,0) 3(3.5,0)
  silkscreen extent -5.3,0.95 5.3,3.8, body extent -5.25,-3.75 5.25,3.75, height 8.7
PTH_CON_WR-MRC4-6P [mm]
  round 2.5 hole 1.8 mask+0.075: 1(-4.2,2.75) 2(0,2.75) 3(4.2,2.75) 4(-4.2,-2.75) 5(0,-2.75) 6(4.2,-2.75)
  silkscreen extent -7,1.5 6.95,16.7, body extent -6.9,-3.32 6.9,16.65, height 11.35
PTH_HDRV05W64P254_1X05 [mm]
  round 1.85 hole 1.15 mask+0.075: 1(-5.08,0) 2(-2.54,0) 3(0,0) 4(2.54,0) 5(5.08,0)
  silkscreen extent -6.35,-1.25 6.35,1.25, body extent -6.35,-1.25 6.35,1.25, height 8
PTH_MTG400_700 [mm]
  round 7 / inner round 5 / far side round 7 hole 4 mask+0.075: 1(0,0)
  silkscreen extent -3.85,-3.85 3.85,3.85
SMD_0402_CAPC1005X55N [mm]
  rrect48% 0.62x0.62 smd mask+0.075: 1(-0.45,0) 2(0.45,0)
  body extent -0.5,-0.25 0.5,0.25, height 0.55
SMD_0603_CAPC1608X95N [mm]
  rrect42% 0.95x1 smd mask+0.075: 1(-0.8,0) 2(0.8,0)
  body extent -0.8,-0.4 0.8,0.4, height 0.95
SMD_0603_RESC1608X55N [mm]
  rrect44% 0.9x1 smd mask+0.075: 1(-0.8,0) 2(0.8,0)
  body extent -0.8,-0.4 0.8,0.4, height 0.55
SMD_0805_CAPC2012X145N [mm]
  rrect35% 1.15x1.45 smd mask+0.075: 1(-0.9,0) 2(0.9,0)
  body extent -1,-0.6 1,0.6, height 1.45
SMD_0805_LED2012X100N [mm]
  rrect33% 1.2x1.2 smd mask+0.075: 1(-1.05,0) 2(1.05,0)
  body extent -1,-0.62 1,0.63, height 0.98
SMD_1206_RESC3216X65N [mm]
  rrect38% 1.05x1.75 smd mask+0.075: 1(-1.5,0) 2(1.5,0)
  silkscreen extent -0.65,-0.85 0.65,0.85, body extent -1.6,-0.8 1.6,0.8, height 0.65
SMD_1210_CAPC3225X270N [mm]
  rrect35% 1.15x2.7 smd mask+0.075: 1(-1.5,0) 2(1.5,0)
  silkscreen extent -0.6,-1.35 0.6,1.35, body extent -1.6,-1.25 1.6,1.25, height 2.7
SMD_1210_CAPC3225X279N [mm]
  rrect35% 1.15x2.7 smd mask+0.075: 1(-1.5,0) 2(1.5,0)
  silkscreen extent -0.6,-1.35 0.6,1.35, body extent -1.6,-1.25 1.6,1.25, height 2.79